# Allegro board MCU013_LAUNCHXL-CC1310_CC1190.brd
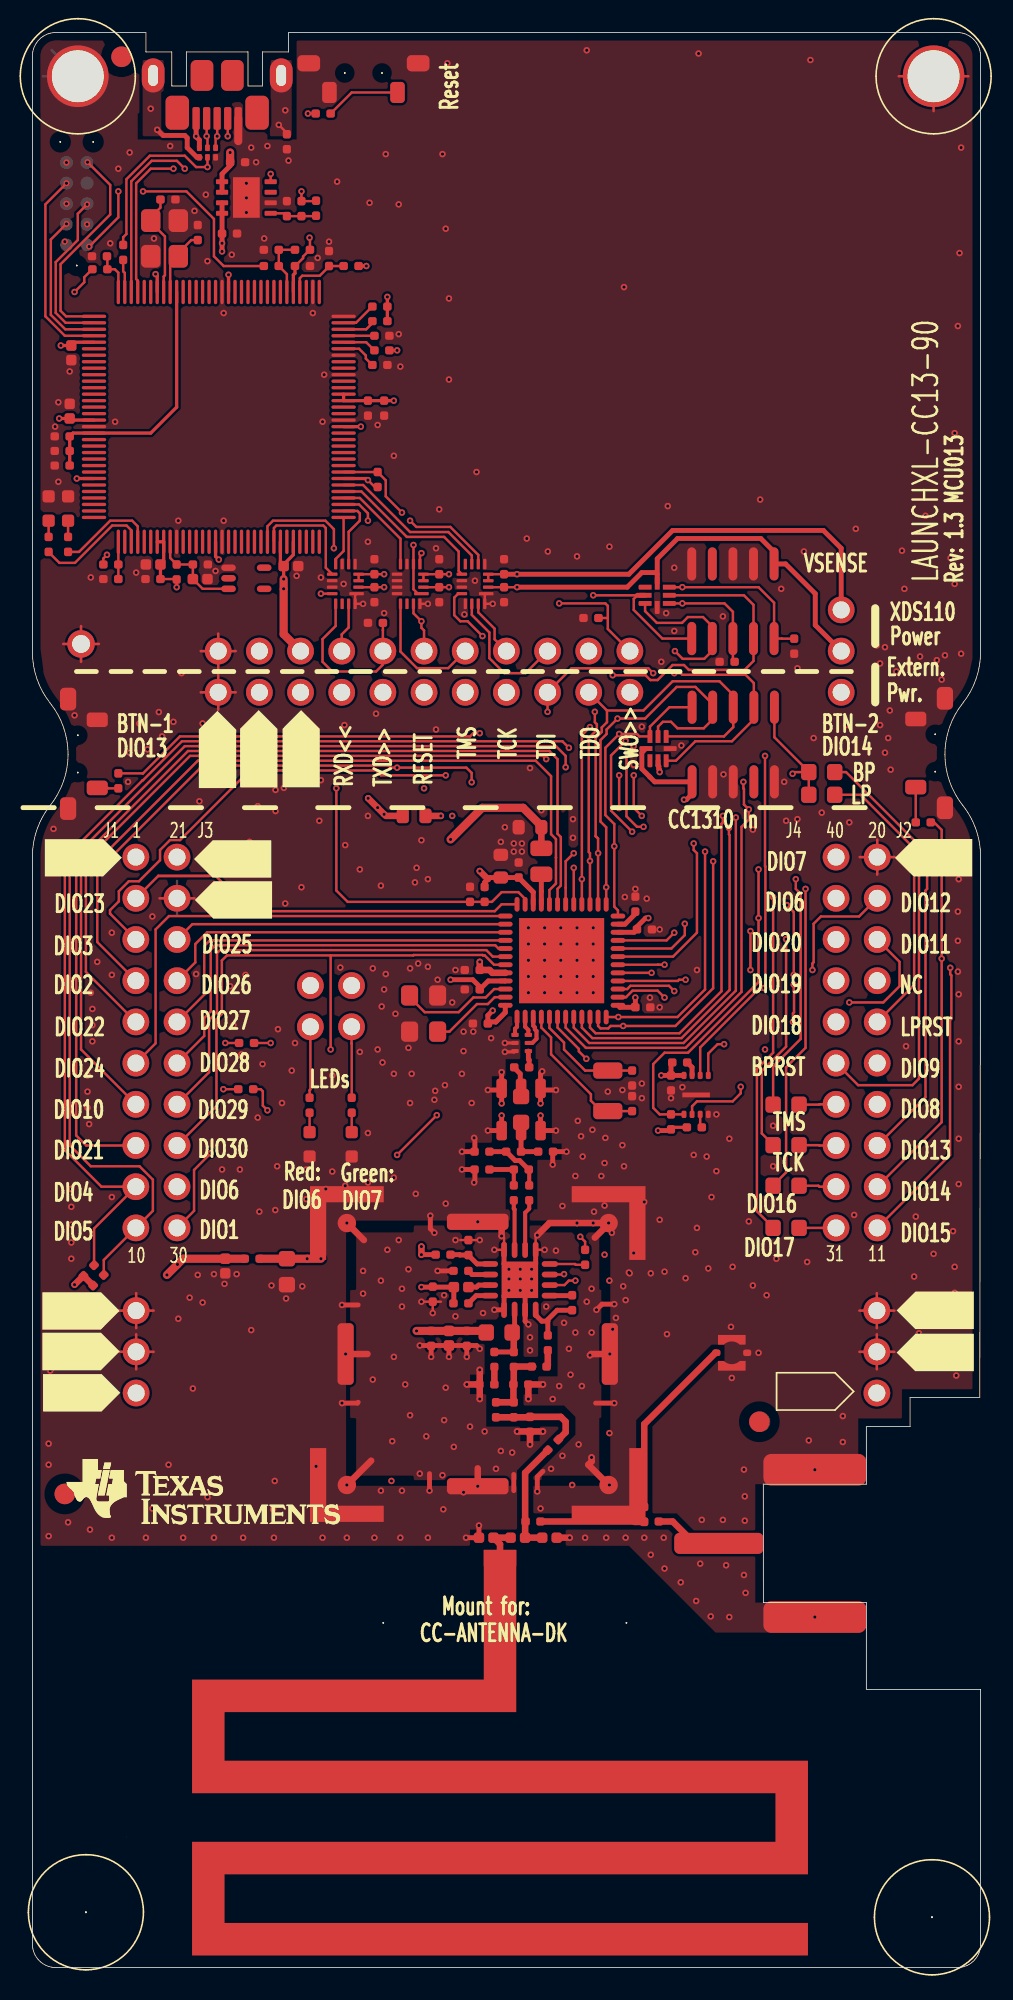
[diagram p0: board, top side]
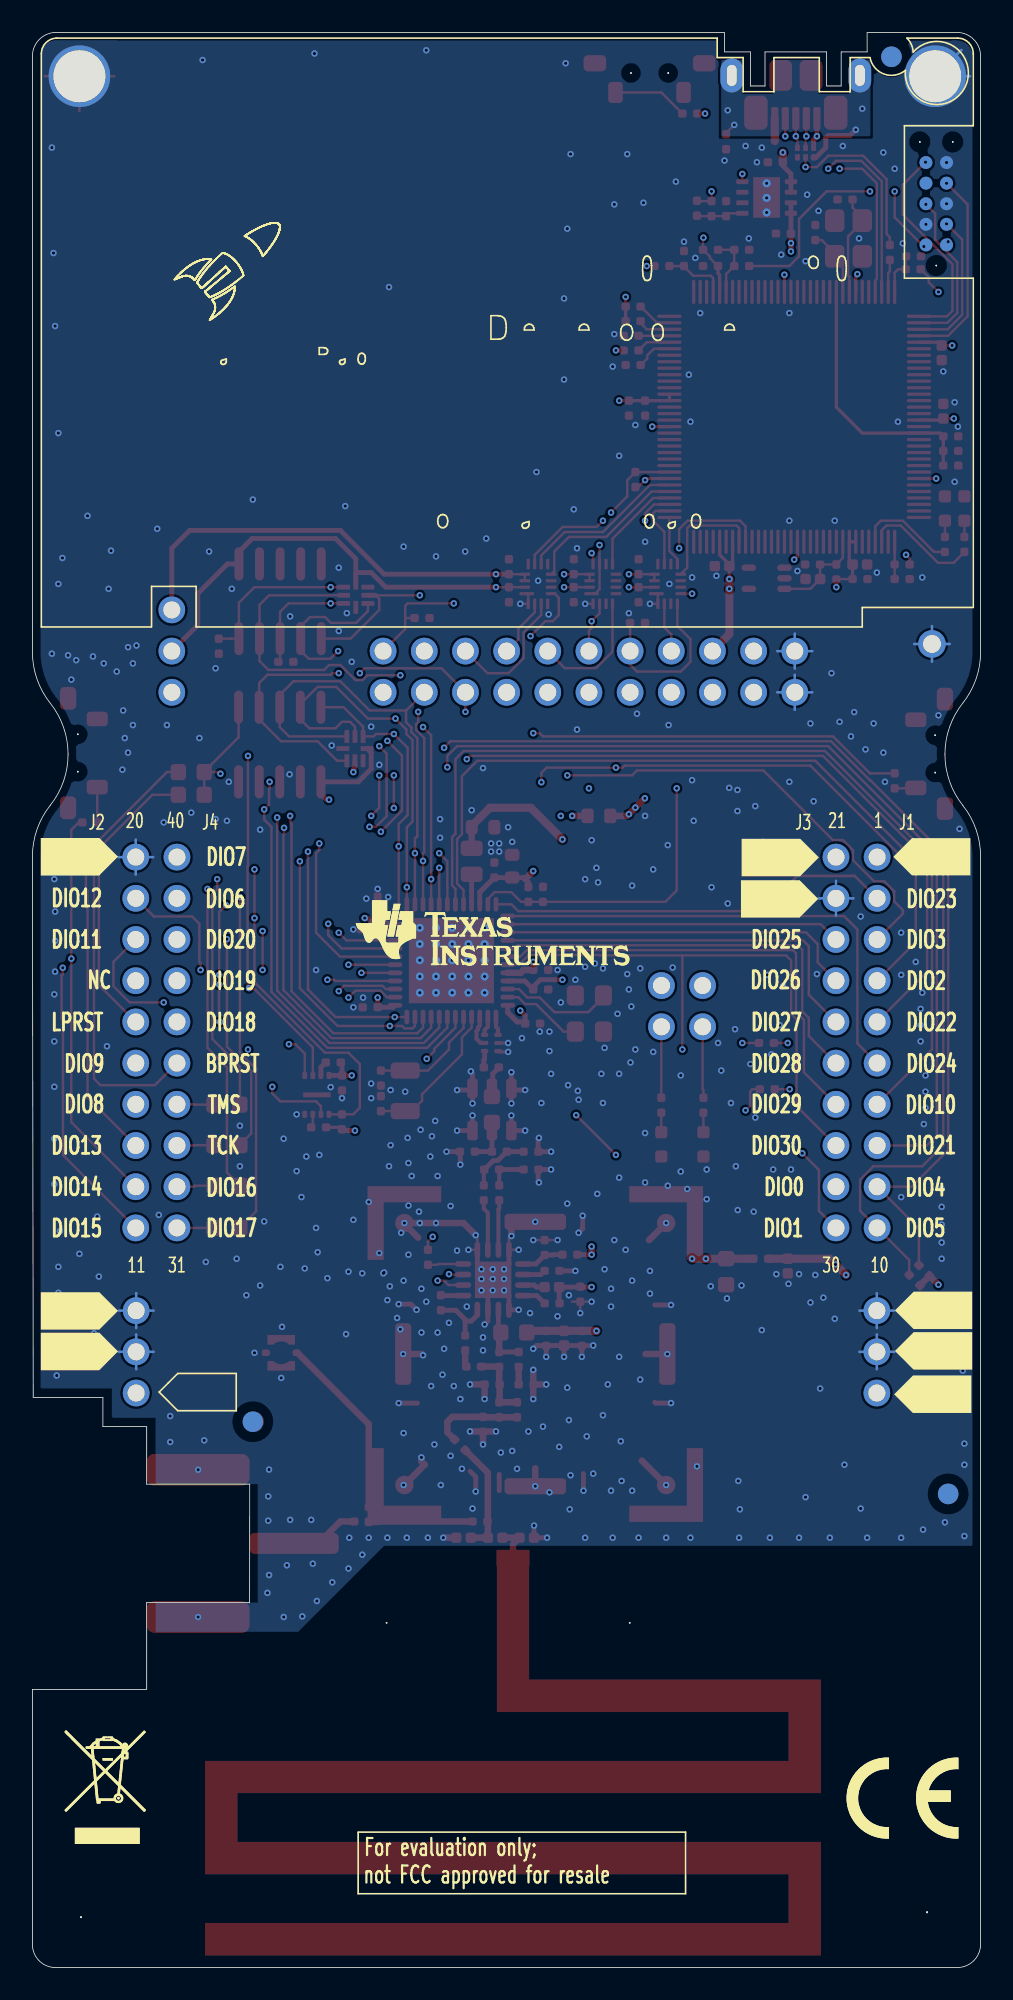
[diagram p1: board, bottom side, seen from below]

Outline 58.5 x 119.3 mm; copper layers: TOP, L2, L3, BOTTOM. Coordinates in mm from the lower left corner of the outline.
Outline path: 0,117.84 0,81.1 arc(0.28,79.43) 1.1,77.95 arc(1.92,76.47) 2.2,74.8 arc(1.92,73.13) 1.1,71.65 arc(0.28,70.17) 0,68.5 0,1.45 arc(0.42,0.42) 1.45,0 57.1,0 arc(58.1,0.44) 58.5,1.45 58.5,17.15 51.45,17.15 51.45,22.5 45.1,22.5 45.09,29.8 51.45,29.8 51.45,33.35 54.15,33.35 54.15,35.15 58.45,35.15 58.5,68.5 arc(58.22,70.17) 57.4,71.65 arc(56.58,73.13) 56.3,74.8 arc(56.58,76.47) 57.4,77.95 arc(58.22,79.43) 58.5,81.1 58.5,117.84 arc(58.07,118.87) 57.04,119.3 15.8,119.3 15.8,118.1 14.2,118.1 14.2,116 13.3,116 13.3,118.1 9.5,118.1 9.5,116 8.6,116 8.6,118.1 7,118.1 7,119.3 1.46,119.3 arc(0.43,118.87) 0,117.84

## Design rules (mm)
constraint set DEFAULT: min track width 0.15

## Placement (name value [footprint] x y rotation side)
A1  DNM  [CAPC1005X60A2N]  31.45 26.5 0 top
A2  1.4pF  [CAPC1005X60A2N]  30.4 26.5 180 top
A3  39nH  [INDC1005X60C2N]  28.45 26.5 180 top
ANT1  868MHz/2440MHz  [ANTENNA_DN024N]  28.85 25.25 180 top
C3  100nF  [CAPC1005X60B2N]  37.2 59.2 0 top
C4  100nF  [CAPC1005X60B2N]  37.3 64 0 top
C5  100nF  [CAPC1005X60B2N]  27.6 61.5 180 top
C6  22uF  [CAPC1608X100A2L]  28.9 67.2 90 top
C7  100nF  [CAPC1005X60B2N]  30 67.2 90 top
C8  22uF  [CAPC1608X100A2L]  31.4 70.3 180 top
C9  100nF  [CAPC1005X60B2N]  28.1 58.2 180 top
C15  100pF  [CAPC1005X60B2N]  30.65 55.5 180 top
C16  100nF  [CAPC1005X60B2N]  27.6 60.3 180 top
C17  12pF  [CAPC1005X60B2N]  37 52.8 90 top
C18  12pF  [CAPC1005X60B2N]  37 55.3 270 top
C19  1uF  [CAPC1005X60B2N]  37.2 65.1 90 top
C20  100nF  [CAPC1005X60B2N]  27 65.7 90 top
C24  2.2pF  [CAPC1005X60B2N]  28.6 34.85 270 top
C25  7.5pF  [CAPC1005X60B2N]  30.7 33.95 270 top
C27  47pF  [CAPC1005X60B2N]  26.8 39.25 270 top
C28  1nF  [CAPC1005X60N]  25.7 39.25 270 top
C29  1uF  [CAPC1005X60B2N]  24.6 39.25 270 top
C30  0.1uF  [CAPC1005X60B2N]  39.4 55 270 top
C32  0.1uF  [CAPC1005X60B2N]  9.9 86.5 0 top
C33  12pF  [CAPC1005X60B2N]  10.2 106.5 90 top
C34  12pF  [CAPC1005X60B2N]  7.9 109 0 top
C35  10nF  [CAPC1005X60N]  15.5 86.4 0 top
C36  10nF  [CAPC1005X60N]  2.3 95.5 90 top
C37  10nF  [CAPC1005X60N]  2.4 100 270 top
C38  0.1uF  [CAPC1005X60B2N]  16.2 104.9 0 top
C39  0.1uF  [CAPC1005X60B2N]  20.7 96.6 270 top
C40  1uF  [CAPC1005X60B2N]  21.7 96.6 270 top
C41  10nF  [CAPC1005X60N]  7.9 86.5 180 top
C42  1uF  [CAPC1005X60B2N]  7.9 85.6 180 top
C43  0.1uF  [CAPC1005X60B2N]  2.3 94.4 180 top
C44  1uF  [CAPC1005X60B2N]  2.3 93.5 180 top
C45  2.2uF  [CAPC1005X60B2N]  2.3 92.6 180 top
C46  0.1uF  [CAPC1005X60B2N]  18.3 104.9 90 top
C47  15pF  [CAPC1005X60B2N]  16.6 108.9 270 top
C48  2.2uF  [CAPC1005X60B2N]  12.2 111.3 0 top
C49  2.2uF  [CAPC1005X60B2N]  11.7 106.9 0 top
C50  10nF  [CAPC1005X60N]  9.9 85.6 0 top
C52  0.1uF  [CAPC1005X60B2N]  21.1 85.9 90 top
C53  0.1uF  [CAPC1005X60B2N]  21.1 85.1 270 top
C54  0.1uF  [CAPC1005X60B2N]  25.1 85.9 90 top
C55  0.1uF  [CAPC1005X60B2N]  25.1 85.1 270 top
C56  0.1uF  [CAPC1005X60B2N]  29.1 85.9 90 top
C57  0.1uF  [CAPC1005X60B2N]  29.1 85.1 270 top
C59  0.1uF  [CAPC1005X60B2N]  4.6 105.5 180 top
C111  0.8pF  [CAPC1005X60B2N]  31.2 50.3 0 top
C131  15pF  [CAPC1005X60B2N]  26.9 44.85 270 top
C161  27pF  [CAPC1005X60B2N]  24.7 41.05 90 top
C210  2.4pF  [CAPC1005X60B2N]  28.5 35.95 180 top
C212  3.3pF  [CAPC1005X60B2N]  30.6 35.95 180 top
C213  12pF  [CAPC1005X60B2N]  33.3 41.45 270 top
C214  12pF  [CAPC1005X60B2N]  31.8 38.05 90 top
C215  47pF  [CAPC1005X60B2N]  29.7 37.95 270 top
C216  220pF  [CAPC1005X60N]  11.9 43.7 270 top
C217  10uF  [CAPC1608X90N]  15.7 43.7 270 top
C218  0  [RESC1005X40B2N]  29.7 47.3 90 top
C219  0  [RESC1005X40B2N]  30.65 47.3 90 top
CR1  LPL296-J2L2-25  [LEDC1707X65L]  19.7 50 90 top
CR2  LS L296-P2Q2-1  [LEDC1708X67L]  17.1 50 90 top
CR4  LS L296-P2Q2-1  [LEDC1708X67L]  1 90.7 270 top
CR5  LPL296-J2L2-25  [LEDC1707X65L]  2.2 90.7 270 top
CR6  TPD4E004DRY  [SON50P100X145X60-6N]  10.3 111.6 0 top
CR7  TPD6E004RSER  [QFN50P150X150X60-8N]  37.8 85.1 270 top
CR8  TPD6E004RSER  [QFN50P150X150X60-8N]  38.1 74.4 0 top
FIDU1  FIDU_1.27mm  [FID127X142]  5.5 117.8 0 top
FIDU2  FIDU_1.27mm  [FID127X142]  2 29.2 0 top
FIDU3  FIDU_1.27mm  [FID127X142]  44.85 33.65 0 top
FIDU4  FIDU_1.27mm  [FID127X142]  5.5 117.8 180 bottom
FIDU5  FIDU_1.27mm  [FID127X142]  2 29.2 180 bottom
FIDU6  FIDU_1.27mm  [FID127X142]  44.9 33.65 180 bottom
FL1  BLM18HE152SN1  [FIL_BLM18HE152SN1DL]  24.25 71 180 top
FL2  B39871B3725U410  [FIL_DCC6CN]  31.35 54.2 180 top
J1  SSQ-110-23-L-D  [SAMTEC_SSQ11023LD_A2B]  6.38 68.46 0 bottom
J2  SSQ-110-23-L-D  [SAMTEC_SSQ11023LD_A2B]  49.58 68.46 0 bottom
J6  105164-0001  [MOLEX_1051640001_A2N]  10.1 114 0 top
L1  6.8uH  [INDC2012X150L]  31.4 67.4 90 top
L21  22nH  [INDC1608X100N]  28 39.15 0 top
L24  9.1nH  [INDC1005X60B2N]  32.45 32.55 225 top
L25  2.4nH  [INDC1005X60D2N]  28.5 37.95 270 top
L26  7.5nH  [INDC1005X60B2N]  30.8 37.05 0 top
L27  2.9nH  [INDC1005X60B2N]  29.7 34.85 270 top
L111  10nH  [INDC1005X60B2N]  30.15 50.3 180 top
L131  1.5nH  [INDC1005X60B2N]  25.8 43.95 180 top
L161  15nH  [INDC1005X60B2N]  26.9 40.95 180 top
L163  11nH  [INDC1005X60B2N]  13.1 43.7 0 top
LBL1  CE_label  [CE_LABEL]  5.65 7.95 180 bottom
LBL4  -  [LABEL_FOR_EVALUATION_ONLY]  38.25 4.7 180 bottom
LBL5  TI_LOGO  [TI_LOGO_1]  3.1 31.35 0 top
LBL6  TRASH_7mm  [TRASH_7MM]  55.88 7.62 180 bottom
M13  SNT-100-BK-G  [SAMTEC_SNT100BKG]  12.65 77.35 90 top
M14  SNT-100-BK-G  [SAMTEC_SNT100BKG]  15.2 77.35 90 top
M15  SNT-100-BK-G  [SAMTEC_SNT100BKG]  17.75 77.35 90 top
M16  SNT-100-BK-G  [SAMTEC_SNT100BKG]  20.3 77.35 90 top
M17  SNT-100-BK-G  [SAMTEC_SNT100BKG]  22.8 77.35 90 top
M18  SNT-100-BK-G  [SAMTEC_SNT100BKG]  25.35 77.35 90 top
M19  SNT-100-BK-G  [SAMTEC_SNT100BKG]  27.9 77.35 90 top
M20  SNT-100-BK-G  [SAMTEC_SNT100BKG]  30.4 77.35 90 top
M21  SNT-100-BK-G  [SAMTEC_SNT100BKG]  32.95 77.35 90 top
M22  SNT-100-BK-G  [SAMTEC_SNT100BKG]  35.5 77.35 90 top
M23  SNT-100-BK-G  [SAMTEC_SNT100BKG]  38.05 77.35 90 top
M24  SNT-100-BK-G  [SAMTEC_SNT100BKG]  51.05 79.9 90 top
M25  SNT-100-BK-G  [SAMTEC_SNT100BKG]  18.35 56.7 90 top
M26  SNT-100-BK-G  [SAMTEC_SNT100BKG]  20.85 56.7 90 top
M27  DCB-10  [MECH_DCB10]  2.8 116.6 0 top
M28  DCB-10  [MECH_DCB10]  3.3 3.41 0 top
M29  DCB-10  [MECH_DCB10]  55.5 3.1 0 top
M30  DCB-10  [MECH_DCB10]  55.6 116.6 0 top
MH1  HOLE_3.2mm_NPL  [MTG320]  3.3 3.4 0 top
MH2  HOLE_3.2mm_NPL  [MTG320]  55.5 3.1 0 top
MH3  HOLE_3.2mm_PTH  [MTG320_380]  2.8 116.6 0 top
MH4  HOLE_3.2mm_PTH  [MTG320_380]  55.6 116.6 0 top
MH5  HOLE_1.1mm_PTH  [MTG110_170]  3 81.6 0 top
NOREF  -  []  13.8 70.4 90 top
NOREF#2  -  []  -154.03 -148.09 0 top
NOREF#3  -  []  11.37 118.1 0 top
NOREF#4  -  []  -1.8 32.9 0 top
NOREF#5  -  []  16.5 70.3 90 top
NOREF#6  -  []  0.76 119.12 0 top
NOREF#7  -  []  -1.7 38.1 0 top
NOREF#8  #VALUE  [unnamed#2]  21.65 21.25 0 top
NOREF#9  -  []  0.7 67.2 0 top
NOREF#10  -  []  8.3 65.8 0 top
NOREF#11  -  []  51.6 38.1 0 top
NOREF#12  -  []  28.8 117.9 0 top
NOREF#13  -  []  55.4 17.15 90 top
NOREF#14  -  []  45.1 25.98 0 top
NOREF#15  -  []  8.3 63.4 0 top
NOREF#16  -  []  46.53 0 90 top
NOREF#17  -  []  0 113.92 0 top
NOREF#18  -  []  51.5 66 0 top
NOREF#19  -  []  51.6 35.5 0 top
NOREF#20  -  []  -1.7 35.6 0 top
NOREF#21  -  []  17.8 72.7 90 top
NOREF#22  -  []  60.3 35.6 180 bottom
NOREF#23  -  []  5.6 67.1 180 bottom
NOREF#24  -  []  51.53 89.52 180 bottom
NOREF#25  -  []  7 32.8 180 bottom
NOREF#26  -  []  17.2 65.9 180 bottom
NOREF#27  -  []  7 35.6 180 bottom
NOREF#28  -  []  7 38.1 180 bottom
NOREF#29  -  []  17.1 63.5 180 bottom
NOREF#30  -  []  37.55 65.8 180 bottom
NOREF#31  -  []  60.3 66.1 180 bottom
NOREF#32  -  []  60.3 38.1 180 bottom
P1  BB02-HC031-KB1-603000  [GRADCONN_BB02HC031KB1603000_A2B]  52.1 35.42 90 top
P2  BB02-HC031-KB1-603000  [GRADCONN_BB02HC031KB1603000_A2B]  6.4 35.42 90 top
P4  BB02-HJ221-KB1-603000  [GRADCONN_BB02HJ221KB160300_A2B]  36.86 81.16 180 top
P5  FTSH-105-01-F-DV-K  [SAMTEC_FTSH-105-01-F-DV-K-10L]  40.7 73.1 0 top
P6  BB02-HJ041-KB1-603000  [GRADCONN_BB02HJ041KB1603000_A2B]  17.15 58 0 top
P7  FTSH-105-01-F-DV-K  [SAMTEC_FTSH-105-01-F-DV-K-10L]  45.76 86.53 180 top
P8  TC2050-IDC-NL  [TAGCONNECT_TC2050IDCNLN]  2.1 106.2 90 bottom
P10  BB02-HC031-KB1-603000  [GRADCONN_BB02HC031KB1603000_A2B]  49.9 83.7 270 top
P11  MM5829-2700  [MURATA_MM58292700RJ4_A2N]  42.2 37.9 0 top
P12  142-0721-88  [CINCH_1420721882_A2N]  42.35 26.15 0 top
R1  100k  [RESC1005X40B2N]  27.9 65.7 90 top
R2  3.3k  [RESC1005X40B2N]  3.8 43.3 225 top
R3  3.3k  [RESC1005X40B2N]  4.4 42.7 225 top
R11  2.2k  [RESC1005X40B2N]  39.4 52.6 270 top
R13  0  [RESC1005X40B2N]  38.65 27.5 180 top
R14  220  [RESC1005X40B2N]  17.1 52.7 90 top
R15  180  [RESC1005X40B2N]  19.7 52.7 90 top
R17  10k  [RESC1005X40B2N]  16.2 105.9 0 top
R18  4.7k  [RESC1005X40B2N]  8.9 86.5 270 top
R19  DNM  [RESC1005X40B2N]  5.6 106.2 270 top
R20  100  [RESC1005X40B2N]  15.2 104.9 180 top
R21  DNM  [RESC1005X40B2N]  15.2 105.9 180 top
R22  330k  [RESC1005X40B2N]  5.3 86.5 180 top
R23  180  [RESC1005X40B2N]  1 88.2 270 top
R24  220k  [RESC1005X40B2N]  5.3 85.6 180 top
R25  220  [RESC1005X40B2N]  2.2 88.2 270 top
R27  1k  [RESC1005X40B2N]  21.9 101.5 180 top
R28  4.87k  [RESC1005X40B2N]  21.9 98.8 180 top
R29  1k  [RESC1005X40B2N]  21.1 100.6 0 top
R30  1k  [RESC1005X40B2N]  21.1 99.7 0 top
R31  51  [RESC1005X40B2N]  19.2 104.9 0 top
R32  33k  [RESC1005X40B2N]  15.7 112.1 90 top
R33  51k  [RESC1005X40B2N]  17.5 108 90 top
R34  30k  [RESC1005X40B2N]  15.7 108.9 270 top
R39  1k  [RESC1005X40B2N]  21.9 102.4 180 top
R46  DNM  [RESC1608X55N]  47.3 53.2 180 top
R47  DNM  [RESC1608X55N]  47.3 50.7 180 top
R48  DNM  [RESC1608X55N]  47.3 48.2 180 top
R49  DNM  [RESC1608X55N]  47.3 45.6 180 top
R51  DNM  [RESC1608X55N]  49.5 72.3 180 top
R52  0  [RESC1608X55N]  47.9 73.7 0 top
R55  100  [RESC1005X40B2N]  54.5 70.6 0 top
R56  100  [RESC1005X40B2N]  5.3 72.7 90 top
R57  100  [RESC1005X40B2N]  18.4 114.3 180 top
R58  3.3k  [RESC1005X40B2N]  21.3 92.2 270 top
R59  DNM  [RESC1005X40B2N]  41.3 51.8 180 top
R60  DNM  [RESC1005X40B2N]  40.4 55.8 180 top
R61  100k  [RESC1005X40B2N]  20.7 82.9 0 top
R62  100k  [RESC1005X40B2N]  34 83.2 0 top
R63  100k  [RESC1005X40B2N]  42.4 80.5 0 top
R65  100k  [RESC1005X40B2N]  47 81 90 top
R66  10k  [RESC1005X40B2N]  12.75 57 0 top
R71  10k  [RESC1005X40B2N]  12.7 54.15 0 top
R81  10k  [RESC1005X40B2N]  34.1 44.25 270 top
R141  3.3k  [RESC1005X40B2N]  26.9 42.95 180 top
R151  47  [RESC1005X40N]  26 41.95 0 top
R152  100  [RESC1005X40B2N]  3.7 104.7 0 top
R153  DNM  [RESC1608X55N]  30.15 52.1 90 top
R154  0  [RESC1005X40B2N]  29.7 49.2 0 top
R155  DNM  [RESC1005X40B2N]  28.2 50.3 180 top
R156  DNM  [RESC1005X40B2N]  28.2 49.2 180 top
R157  DNM  [RESC1005X40B2N]  37.75 28.4 270 top
R158  DNM  [RESC1005X40B2N]  31.35 27.5 180 top
SC1  BMIS-202  [MECH_BMIS202N]  19.4 29.75 0 top
SW1  1188E-1K2-V  [SW_1188E1K2V_A2N]  2.2 78.2 270 top
SW2  1188E-1K2-V  [SW_1188E1K2V_A2N]  56.3 71.5 90 top
SW3  1188E-1K2-V  [SW_1188E1K2V_A2N]  23.8 117.4 180 top
TR1  0850BM14E0016  [XFMR_0850BM14E0016_A2N]  30.6 56.5 90 top
U1  CC1310F128RGZ  [QFNFC50P700X700X80-49CN]  29.9 58.6 0 top
U4  MX25R8035FZUIL0  [SON50P300X200X60-9B2L]  40.2 52.6 0 top
U5  TM4C1294NCPDTT3R  [QFP40P1600X1600X120-128N]  5.3 87.9 0 top
U6  LM4040B25IDCK  [SOT65P210X110-5N]  12.1 86.3 270 top
U7  TPS79601DR  [SON65P300X300X100-9AL]  11.7 110.1 270 top
U8  SN74AVC4T245RSV  [QFNFC40P180X260X55-16A2L]  20 84.7 90 top
U9  SN74AVC4T245RSV  [QFNFC40P180X260X55-16A2L]  28 84.7 90 top
U10  SN74AVC4T245RSV  [QFNFC40P180X260X55-16A2L]  24 84.7 90 top
U11  CC1190  [QFNFC65P400X400X100-17AN]  29.1 40.55 0 top
Y1  32.768kHz  [XTAL_FC-135N]  35.5 52.8 90 top
Y2  24MHz  [OSCCC250X320X60-4L]  25 57.7 90 top
Y3  16MHz  [OSCCC250X320X100-4BN]  9 105.5 90 top

## Library data of the parts
A1 A2 = CAPACITOR: User Part Number: #PN; alternate symbols: (CAPC1005X60A2L,CAPC1005X60A2M)
A3 = INDUCTOR_HOR_1_2: User Part Number: #PN; alternate symbols: (INDC1005X60C2L,INDC1005X60C2M)
ANT1 = ANTENNA_PCB: User Part Number: #PN
C3-C5 C7 C9 C15-C20 C24 C25 C27 C29 C30 C32-C34 C38-C40 C42-C49 C52-C57 C59 C111 C131 C161 C210 C212-C215 = CAPACITOR: User Part Number: #PN
C6 C8 = CAPACITOR: User Part Number: #PN; alternate symbols: (CAPC1608X100A2L,CAPC1608X100A2M)
C28 C35-C37 C41 C50 C216 = CAPACITOR: User Part Number: #PN; alternate symbols: (CAPC1005X60L,CAPC1005X60M)
C217 = CAPACITOR: alternate symbols: (CAPC1608X90L,CAPC1608X90M)
C218 C219 R1-R3 R11 R13-R15 R17-R25 R27-R34 R39 R55-R63 R65 R66 R71 R81 R141 R152 R154-R158 = RESISTOR: User Part Number: #PN
CR1 CR5 = LED: alternate symbols: (LEDC1707X65L,LEDC1707X65M)
CR2 CR4 = LED: alternate symbols: (LEDC1708X67L,LEDC1708X67M)
CR6 = DIODE_TPD4E004_SON6: User Part Number: #PN; alternate symbols: (SON50P100X145X65-6L,SON50P100X145X65-6M)
CR7 CR8 = DIODE_TVS_TPD6E004_QFN8: alternate symbols: (QFN50P150X150X60-8L,QFN50P150X150X60-8M,QFN50P150X150X60-8AL,QFN50P150X150X60-8AM)
FIDU1-FIDU6 = FIDMARK
FL1 = FILTER_2PIN: alternate symbols: (FIL_BLM18HE152SN1DL,FIL_BLM18HE152SN1DM)
FL2 = FILTER_SAW_RF_B3: alternate symbols: (FIL_DCC6CL,FIL_DCC6CM)
J1 J2 = CONN_HEADER_2X10_J_S_V1: User Part Number: #PN; alternate symbols: (SAMTEC_SSQ11023LD_A2C,SAMTEC_SSQ11023LD_A2A)
J6 = CONN_USB_MICRO_B_2MH: User Part Number: #PN; alternate symbols: (MOLEX_1051640001_A2L,MOLEX_1051640001_A2M)
L1 = INDUCTOR: alternate symbols: (INDC2012X150L,INDC2012X150M)
L21 = INDUCTOR: alternate symbols: (INDC1608X100L,INDC1608X100M)
L24 L26 L27 L111 L131 L161 L163 = INDUCTOR: User Part Number: #PN
L25 = INDUCTOR_HOR_1_2: User Part Number: #PN
LBL1 = CE_LABEL
LBL4 = LABEL_FOR_EVALUATOIN_ONLY: User Part Number: #PN
LBL5 = TI_LOGO_V1
LBL6 = TRASH_V2: User Part Number: #PN
M13-M26 = MECH_SHUNT_JUMPER_V1: User Part Number: #PN
M27-M30 = MECH_SPACERS_SUPPORT_V1: User Part Number: #PN
MH1 MH2 = HOLE_NPL
MH3-MH5 = HOLE_PTH
NOREF#8 = -: User Part Number: #PN
P1 P2 P10 = CONN_HEADER_3_P_S: User Part Number: #PN; alternate symbols: (GRADCONN_BB02HC031KB1603000_A2C,GRADCONN_BB02HC031KB1603000_A2A)
P4 = CONN_HEADER_2X11_P_S: User Part Number: #PN; alternate symbols: (GRADCONN_BB02HJ221KB160300_A2C,GRADCONN_BB02HJ221KB160300_A2A)
P5 P7 = CONN_HEADER_2X5: alternate symbols: (SAMTEC_FTSH-105-01-F-DV-K-10L,SAMTEC_FTSH-105-01-F-DV-K-10M)
P6 = CONN_HEADER_2X2_P: User Part Number: #PN; alternate symbols: (GRADCONN_BB02HJ041KB1603000_A2C,GRADCONN_BB02HJ041KB1603000_A2A)
P8 = CONN_IDC_TC2050-IDC-NL: User Part Number: #PN; alternate symbols: (TAGCONNECT_TC2050IDCNLL,TAGCONNECT_TC2050IDCNLM)
P11 = CONN_COAX_1_1_P_2MH: User Part Number: #PN; alternate symbols: (MURATA_MM58292700RJ4_A2L,MURATA_MM58292700RJ4_A2M)
P12 = CONN_COAX_1_J_2MH: User Part Number: #PN
R46-R49 R51 R52 R153 = RESISTOR: alternate symbols: (RESC1608X55L,RESC1608X55M)
R151 = RESISTOR: User Part Number: #PN; alternate symbols: (RESC1005X40L,RESC1005X40M)
SC1 = SHIELD_COVER_BMIS-202
SW1-SW3 = SWITCH_TACT_V2: alternate symbols: (SW_1188E1K2V_A2L,SW_1188E1K2V_A2M)
TR1 = XFMR_0850BM14E0016T: alternate symbols: (XFMR_0850BM14E0016_A2L,XFMR_0850BM14E0016_A2M)
U1 = IC_RF_CC13XX_7X7_QFN48_V2: alternate symbols: (QFNFC50P700X700X100-49A2L,QFNFC50P700X700X100-49A2M)
U4 = IC_FLASH_MX25R8035F_USON8: User Part Number: #PN; alternate symbols: (SON50P300X200X60-9B2L,SON50P300X200X60-9B2M)
U5 = IC_PROC_TM4C1294NCPDT_TQFP128: alternate symbols: (QFP40P1600X1600X120-128L,QFP40P1600X1600X120-128M)
U6 = IC_REF_LM4040_SC70-5: alternate symbols: (SOT65P210X110-5L,SOT65P210X110-5M)
U7 = IC_PM_TPS79601_SON8: alternate symbols: (SON65P300X300X100-9AL,SON65P300X300X100-9AM)
U8-U10 = IC_XCVR_SN74AVC4T245_UQFN16_2: User Part Number: #PN; alternate symbols: (QFNFC40P180X260X55-16A2L,QFNFC40P180X260X55-16A2M)
U11 = IC_RF_CC1190_QFN16: alternate symbols: (QFNFC65P400X400X100-17AL,QFNFC65P400X400X100-17AM)
Y1 = CRYSTAL: alternate symbols: (XTAL_FC-135L,XTAL_FC-135M)
Y2 = XTAL_4PIN_S: alternate symbols: (OSCCC250X320X60-4L,OSCCC250X320X60-4M)
Y3 = XTAL_4: alternate symbols: (OSCCC250X320X100-4BL,OSCCC250X320X100-4BM)

## Footprints (pads in the part's own frame, mm; a bottom-side part is the same pattern mirrored in y, then rotated)
ANTENNA_DN024N
  rect 2x1 smd: 1(0,0)
CAPC1005X60A2N
  custom 0.65x0.64 smd: 1(0,0) 2(0.9,0)
CAPC1005X60B2N
  custom 0.524x0.5 smd: 1(0,0) 2(0.924,0)
CAPC1005X60N
  custom 0.65x0.64 smd: 1(0,0) 2(0.9,0)
CAPC1608X90N
  custom 0.95x1 smd: 1(0,0) 2(1.6,0)
CAPC1608X100A2L
  custom 0.75x0.9 smd: 1(0,0) 2(1.4,0)
CE_LABEL
  oval 0.025x0.051 smd: 1(-0.15,0.1)
CINCH_1420721882_A2N
  custom 5.5x1.3 smd: 1(0,0)
  custom 6.35x1.95 smd: M1(5.925,-4.54) M2(5.925,4.54)
FID127X142
  round 1.27 smd: 1(0,0)
FIL_BLM18HE152SN1DL
  custom 0.752x0.9 smd: 1(0,0) 2(1.4,0)
FIL_DCC6CN
  custom 0.65x1.2 smd: 1(0,0) 2(1.2,0) 3(2.4,0) 4(2.4,2.6) 5(1.2,2.6) 6(0,2.6)
GRADCONN_BB02HC031KB1603000_A2B
  round 1.65 hole 1.05: 1(0,0) 2(2.54,0) 3(5.08,0)
GRADCONN_BB02HJ041KB1603000_A2B
  round 1.65 hole 1.05: 1(0,0) 2(0,2.54) 3(2.54,0) 4(2.54,2.54)
GRADCONN_BB02HJ221KB160300_A2B
  round 1.65 hole 1.05: 1(0,0) 2(0,2.54) 3(2.54,0) 4(2.54,2.54) 5(5.08,0) 6(5.08,2.54) 7(7.62,0) 8(7.62,2.54) 9(10.16,0) 10(10.16,2.54) 11(12.7,0) 12(12.7,2.54) 13(15.24,0) 14(15.24,2.54) 15(17.78,0) 16(17.78,2.54) 17(20.32,0) 18(20.32,2.54) 19(22.86,0) 20(22.86,2.54) 21(25.4,0) 22(25.4,2.54)
INDC1005X60B2N
  custom 0.524x0.5 smd: 1(0,0) 2(0.924,0)
INDC1005X60C2N
  custom 0.65x0.64 smd: 1(0,0) 2(0.9,0)
INDC1005X60D2N
  custom 0.524x0.5 smd: 1(0,0) 2(0.924,0)
INDC1608X100N
  custom 0.95x1 smd: 1(0,0) 2(1.6,0)
INDC2012X150L
  custom 0.95x1.352 smd: 1(0,0) 2(1.6,0)
LEDC1707X65L
  custom 0.752x0.752 smd: 1(0,0) 2(1.501,0)
LEDC1708X67L
  custom 0.752x0.752 smd: 1(0,0) 2(1.501,0)
MECH_BMIS202N
  custom 4.55x4.55 smd: 1(0,0) 3(16.15,0) 5(16.15,16.15) 7(0,16.15)
  custom 3.8x1 smd: 2(8.075,-0.075) 6(8.075,16.225)
  custom 1x3.8 smd: 4(16.225,8.075) 8(-0.075,8.075)
MECH_DCB10
  round 0.1 hole 3 unplated: (0,0)
MOLEX_1051640001_A2N
  custom 1.45x2.1 smd: (-1.162,0.35) (3.762,0.35)
  custom 1.4x1.9 smd: (0.362,2.65) (2.238,2.65)
  custom 0.45x1.4 smd: 1(0,0) 2(0.65,0) 3(1.3,0) 4(1.95,0) 5(2.6,0)
  oval 1.4x2.1 hole 0.6x1.3: M1(-2.65,2.65) M2(5.25,2.65)
MTG110_170
  round 1.699 hole 1.1: 1(0,0)
MTG320
  round 0.099 hole 3.2 unplated: (0,0)
MTG320_380
  round 3.8 hole 3.2: 1(0,0)
MURATA_MM58292700RJ4_A2N
  custom 0.5x0.4 smd: 1(0,0) 2(1.9,0)
  custom 1.7x0.6 smd: M1(0.95,-0.8) M2(0.95,0.8)
OSCCC250X320X60-4L
  custom 1.25x1.052 smd: 1(0,0) 2(2.23,0) 3(2.23,1.73) 4(0,1.73)
OSCCC250X320X100-4BN
  custom 1.402x1.198 smd: 1(0,0) 2(2.2,0) 3(2.2,1.699) 4(0,1.699)
QFN50P150X150X60-8N
  custom 0.3x0.8 smd: 1(0,0) 2(0.5,0) 3(1,0) 5(1,1.5) 6(0.5,1.5) 7(0,1.5)
  custom 0.8x0.3 smd: 4(1.25,0.75) 8(-0.25,0.75)
QFNFC40P180X260X55-16A2L
  custom 0.2x0.9 smd: 1(0,0)
  custom 0.2x0.65 smd: 2(0.4,-0.125) 3(0.8,-0.125) 4(1.2,-0.125) 9(1.2,1.505) 10(0.8,1.505) 11(0.4,1.505) 12(0,1.505)
  custom 0.65x0.2 smd: 5(1.825,0.09) 6(1.825,0.49) 7(1.825,0.89) 8(1.825,1.29) 13(-0.625,1.29) 14(-0.625,0.89) 15(-0.625,0.49) 16(-0.625,0.09)
QFNFC50P700X700X80-49CN
  oval 0.3x0.9 smd: 1(0,0) 2(0.5,0) 3(1,0) 4(1.5,0) 5(2,0) 6(2.5,0) 7(3,0) 8(3.5,0) 9(4,0) 10(4.5,0) 11(5,0) 12(5.5,0) 25(5.5,6.95) 26(5,6.95) 27(4.5,6.95) 28(4,6.95) 29(3.5,6.95) 30(3,6.95) 31(2.5,6.95) 32(2,6.95) 33(1.5,6.95) 34(1,6.95) 35(0.5,6.95) 36(0,6.95)
  oval 0.9x0.3 smd: 13(6.225,0.725) 14(6.225,1.225) 15(6.225,1.725) 16(6.225,2.225) 17(6.225,2.725) 18(6.225,3.225) 19(6.225,3.725) 20(6.225,4.225) 21(6.225,4.725) 22(6.225,5.225) 23(6.225,5.725) 24(6.225,6.225) 37(-0.725,6.225) 38(-0.725,5.725) 39(-0.725,5.225) 40(-0.725,4.725) 41(-0.725,4.225) 42(-0.725,3.725) 43(-0.725,3.225) 44(-0.725,2.725) 45(-0.725,2.225) 46(-0.725,1.725) 47(-0.725,1.225) 48(-0.725,0.725)
  rect 5.25x5.25 smd: 49(2.75,3.475)
QFNFC65P400X400X100-17AN
  oval 0.35x1 smd: 1(0,0) 2(0.65,0) 3(1.3,0) 4(1.95,0) 9(1.95,3.7) 10(1.3,3.7) 11(0.65,3.7) 12(0,3.7)
  oval 1x0.35 smd: 5(2.825,0.875) 6(2.825,1.525) 7(2.825,2.175) 8(2.825,2.825) 13(-0.875,2.825) 14(-0.875,2.175) 15(-0.875,1.525) 16(-0.875,0.875)
  rect 2.25x2.25 smd: 17(0.975,1.85)
QFP40P1600X1600X120-128N
  oval 0.201x1.501 smd: 1(0,0) 2(0.399,0) 3(0.8,0) 4(1.199,0) 5(1.6,0) 6(1.999,0) 7(2.4,0) 8(2.799,0) 9(3.2,0) 10(3.599,0) 11(4,0) 12(4.399,0) 13(4.801,0) 14(5.199,0) 15(5.601,0) 16(6,0) 17(6.401,0) 18(6.8,0) 19(7.201,0) 20(7.6,0) 21(8.001,0) 22(8.4,0) 23(8.801,0) 24(9.2,0) 25(9.601,0) 26(10,0) 27(10.399,0) 28(10.8,0) 29(11.199,0) 30(11.6,0) 31(11.999,0) 32(12.4,0) 65(12.4,15.4) 66(11.999,15.4) 67(11.6,15.4) 68(11.199,15.4) 69(10.8,15.4) 70(10.399,15.4) 71(10,15.4) 72(9.601,15.4) 73(9.2,15.4) 74(8.801,15.4) 75(8.4,15.4) 76(8.001,15.4) 77(7.6,15.4) 78(7.201,15.4) 79(6.8,15.4) 80(6.401,15.4) 81(6,15.4) 82(5.601,15.4) 83(5.199,15.4) 84(4.801,15.4) 85(4.399,15.4) 86(4,15.4) 87(3.599,15.4) 88(3.2,15.4) 89(2.799,15.4) 90(2.4,15.4) 91(1.999,15.4) 92(1.6,15.4) 93(1.199,15.4) 94(0.8,15.4) 95(0.399,15.4) 96(0,15.4)
  oval 1.501x0.201 smd: 33(13.899,1.501) 34(13.899,1.9) 35(13.899,2.301) 36(13.899,2.7) 37(13.899,3.099) 38(13.899,3.5) 39(13.899,3.899) 40(13.899,4.3) 41(13.899,4.699) 42(13.899,5.1) 43(13.899,5.499) 44(13.899,5.9) 45(13.899,6.299) 46(13.899,6.7) 47(13.899,7.099) 48(13.899,7.501) 49(13.899,7.899) 50(13.899,8.301) 51(13.899,8.7) 52(13.899,9.101) 53(13.899,9.5) 54(13.899,9.901) 55(13.899,10.3) 56(13.899,10.701) 57(13.899,11.1) 58(13.899,11.501) 59(13.899,11.9) 60(13.899,12.301) 61(13.899,12.7) 62(13.899,13.099) 63(13.899,13.5) 64(13.899,13.899) 97(-1.501,13.899) 98(-1.501,13.5) 99(-1.501,13.099) 100(-1.501,12.7) 101(-1.501,12.301) 102(-1.501,11.9) 103(-1.501,11.501) 104(-1.501,11.1) 105(-1.501,10.701) 106(-1.501,10.3) 107(-1.501,9.901) 108(-1.501,9.5) 109(-1.501,9.101) 110(-1.501,8.7) 111(-1.501,8.301) 112(-1.501,7.899) 113(-1.501,7.501) 114(-1.501,7.099) 115(-1.501,6.7) 116(-1.501,6.299) 117(-1.501,5.9) 118(-1.501,5.499) 119(-1.501,5.1) 120(-1.501,4.699) 121(-1.501,4.3) 122(-1.501,3.899) 123(-1.501,3.5) 124(-1.501,3.099) 125(-1.501,2.7) 126(-1.501,2.301) 127(-1.501,1.9) 128(-1.501,1.501)